# Altium PCB touch-tara-h-3 (final).PcbDoc (part 5 of 8)
Units mm, origin at the board's own origin, x right, y up, seen from the top; angles counter-clockwise.
Board outline 447.8 x 276.35 mm, 2 copper layers (Top Layer, Bottom Layer); 1040 components, 28 nets, 3254 pads, 0 vias.
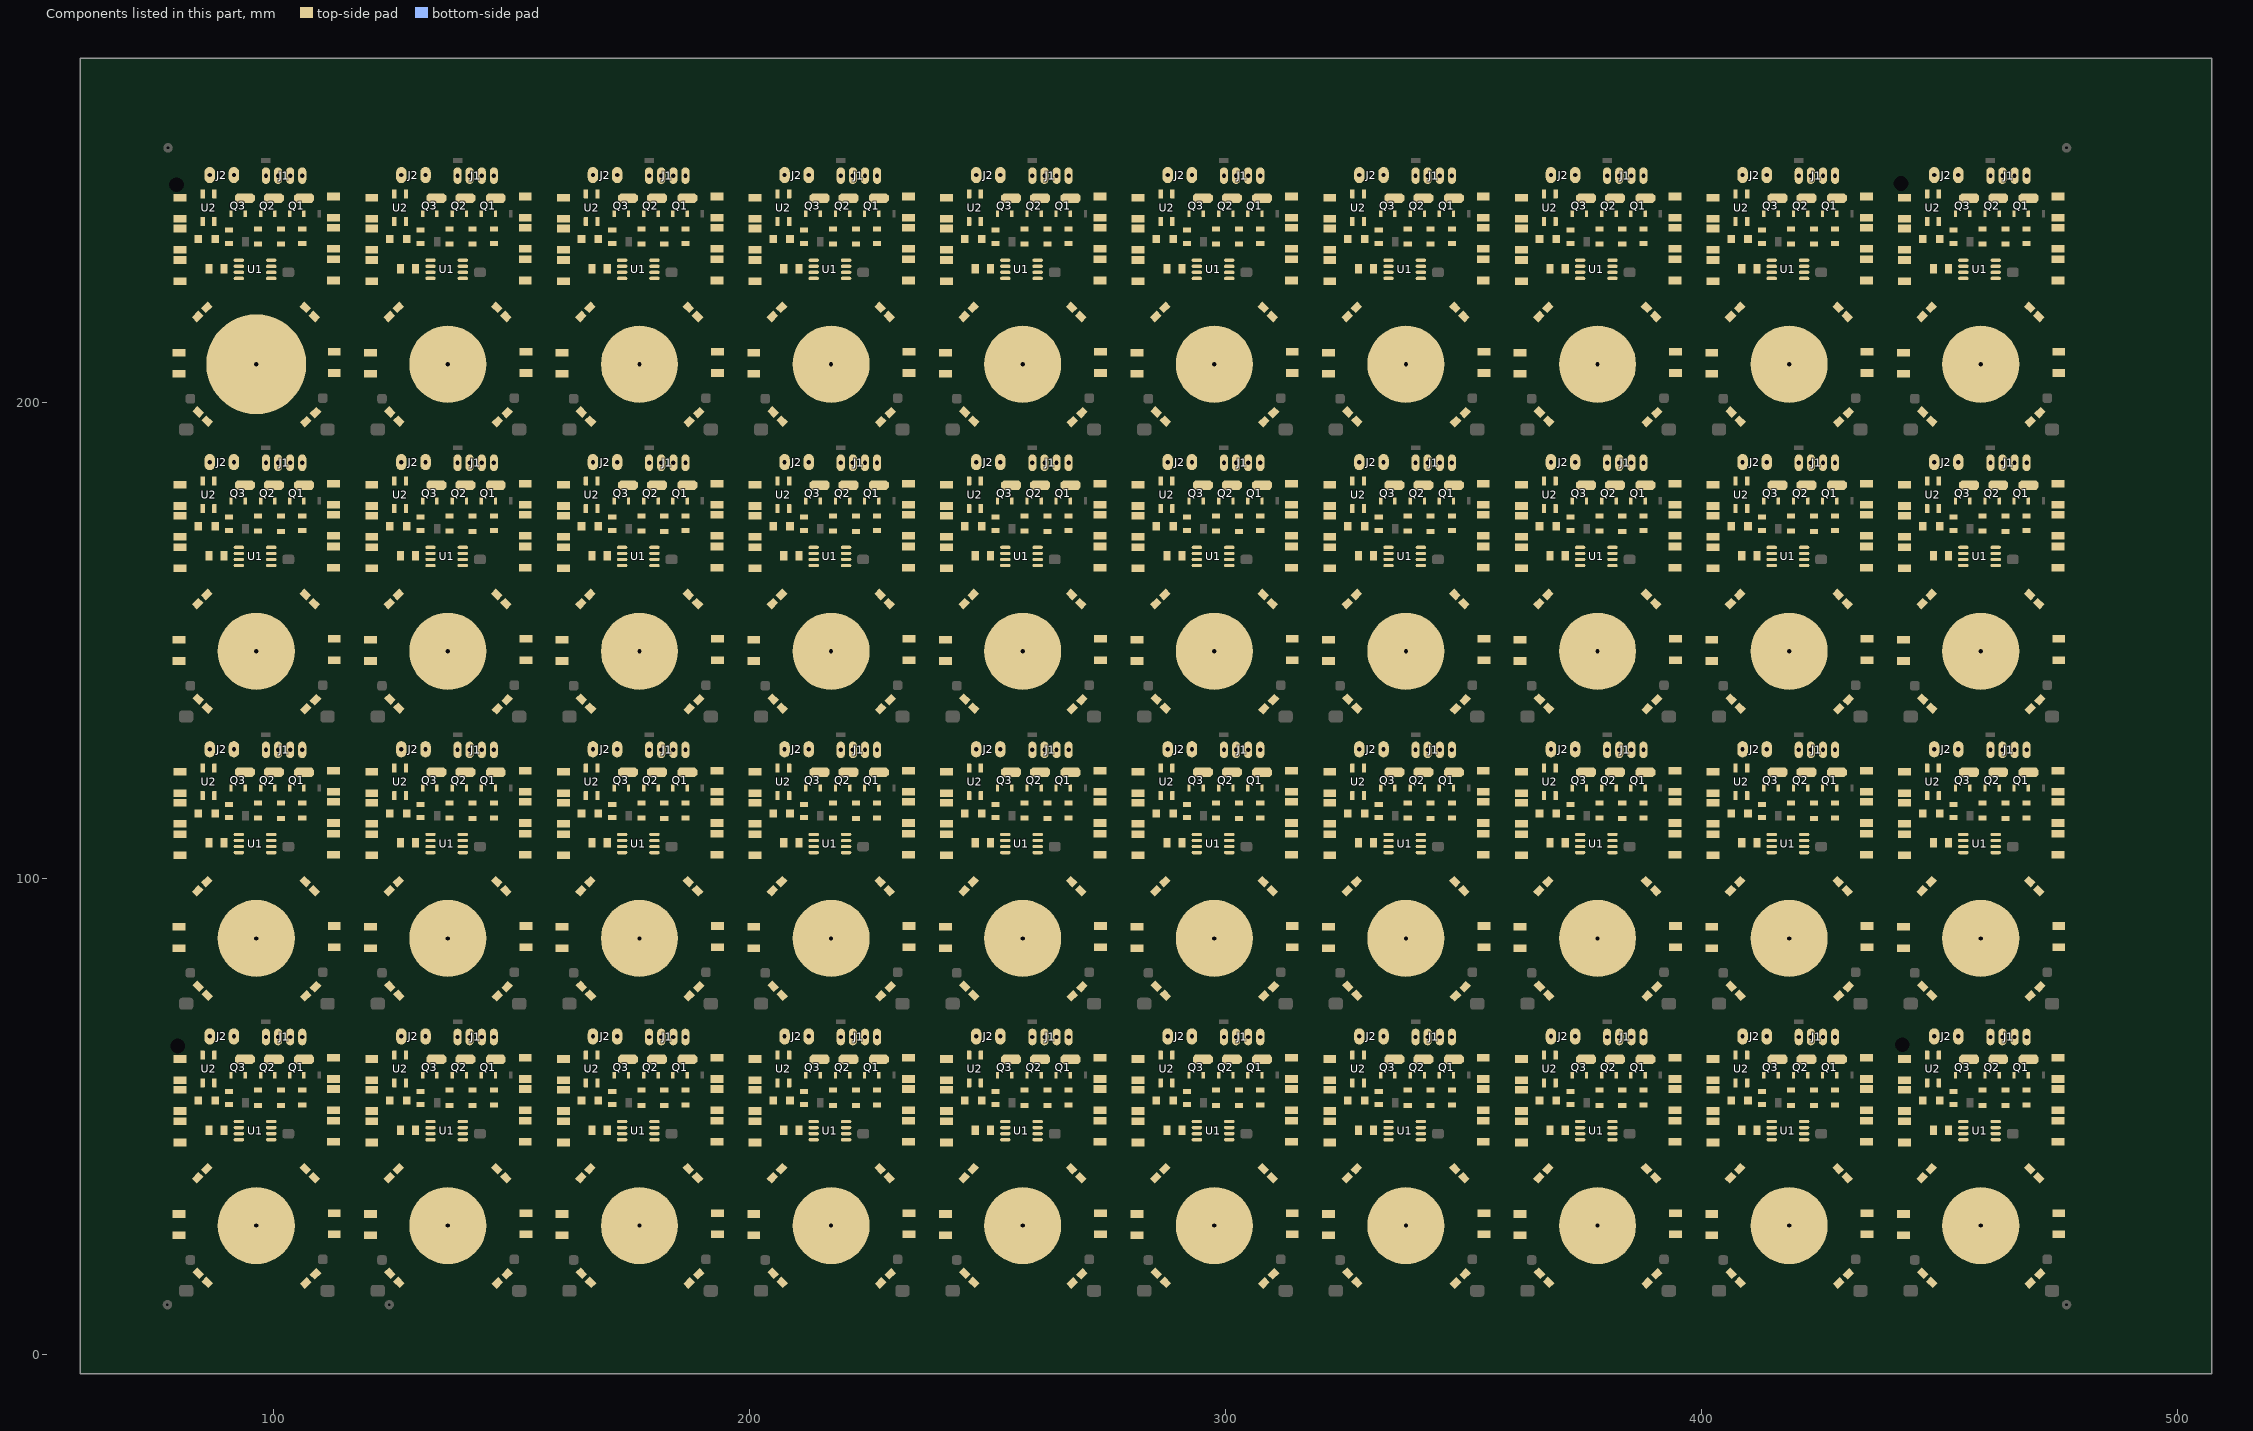
[diagram p5: the components of this part, seen from the top]

## Nets (pads, with @x,y where several pads share a name; then routed paths per layer and width w, separated by ;. In a path a pad name is that pad's centre, name@x,y a point inside that pad or via, vN(x,y) a via of type N, cw(c..) or ccw(c..) an arc to the next point about the centre after c; other vN are vias at no path point) (continued)
copper on no net: (continued)
  Top Layer w0.8: 80.137,85.344 80.391,85.09 80.391,77.685 80.86,77.216 83.225,77.216 83.529,77.52 84.024,77.52 84.201,77.343 ; 80.137,145.669 80.391,145.415 80.391,138.01 80.86,137.541 83.225,137.541 83.529,137.845 84.024,137.845 84.201,137.668 ; 80.137,205.994 80.391,205.74 80.391,198.335 80.86,197.866 83.225,197.866 83.529,198.17 84.024,198.17 84.201,197.993 ; 80.391,89.903 80.391,98.984 80.86,99.453 81.522,99.453 83.573,97.402 84.067,97.402 84.074,97.409 ; 80.391,150.228 80.391,159.309 80.86,159.778 81.522,159.778 83.573,157.727 84.067,157.727 84.074,157.734 ; 80.391,210.553 80.391,219.634 80.86,220.103 81.522,220.103 83.573,218.052 84.067,218.052 84.074,218.059 ; 80.796,105.132 80.796,104.981 81.341,104.436 81.492,104.436 86.049,99.879 86.049,99.384 85.979,99.314 ; 80.796,165.457 80.796,165.306 81.341,164.761 81.492,164.761 86.049,160.204 86.049,159.709 85.979,159.639 ; 80.796,225.782 80.796,225.631 81.341,225.086 81.492,225.086 86.049,220.529 86.049,220.034 85.979,219.964 ; 81.001,122.307 81.341,121.967 81.341,121.224 83.058,119.507 83.058,115.239 83.801,114.496 83.801,114.115 84.182,114.115 ; 81.001,182.632 81.341,182.292 81.341,181.549 83.058,179.832 83.058,175.564 83.801,174.821 83.801,174.44 84.182,174.44 ; 81.001,242.957 81.341,242.617 81.341,241.874 83.058,240.157 83.058,235.889 83.801,235.146 83.801,234.765 84.182,234.765 ; 84.201,113.665 84.201,113.615 84.601,113.215 84.671,113.215 85.725,112.161 85.725,108.602 86.085,108.242 86.085,108.042 86.525,107.602 86.725,107.602 86.725,106.823 88.519,105.029 91.758,105.029 92.039,105.31 ; 84.201,173.99 84.201,173.94 84.601,173.54 84.671,173.54 85.725,172.486 85.725,168.927 86.085,168.567 86.085,168.367 86.525,167.927 86.725,167.927 86.725,167.148 88.519,165.354 91.758,165.354 92.039,165.635 ; 84.201,234.315 84.201,234.265 84.601,233.865 84.671,233.865 85.725,232.811 85.725,229.252 86.085,228.892 86.085,228.692 86.525,228.252 86.725,228.252 86.725,227.473 88.519,225.679 91.758,225.679 92.039,225.96 ; 85.108,123.196 85.135,123.169 ; 85.108,183.521 85.135,183.494 ; 85.108,243.846 85.135,243.819 ; 85.135,117.369 85.135,119.97 83.185,121.92 83.185,124.714 82.042,125.857 82.042,130.087 82.511,130.556 98.425,130.556 106.807,130.556 109.283,128.079 ; 85.135,177.694 85.135,180.295 83.185,182.245 83.185,185.039 82.042,186.182 82.042,190.412 82.511,190.881 98.425,190.881 106.807,190.881 109.283,188.404 ; 85.135,238.019 85.135,240.62 83.185,242.57 83.185,245.364 82.042,246.507 82.042,250.737 82.511,251.206 98.425,251.206 106.807,251.206 109.283,248.73 ; 86.106,75.438 84.335,73.667 81.668,73.667 81.28,73.279 81.28,72.966 81.209,72.895 109.81,72.895 109.865,72.949 110.668,72.949 111.379,73.66 108.458,73.66 106.807,75.311 ; 86.106,135.763 84.335,133.992 81.668,133.992 81.28,133.604 81.28,133.291 81.209,133.22 109.81,133.22 109.865,133.274 110.668,133.274 111.379,133.985 108.458,133.985 106.807,135.636 ; 86.106,196.088 84.335,194.317 81.668,194.317 81.28,193.929 81.28,193.616 81.209,193.545 109.81,193.545 109.865,193.599 110.668,193.599 111.379,194.31 108.458,194.31 106.807,195.961 ; 86.614,126.148 86.614,127.127 ; 86.614,186.473 86.614,187.452 ; 86.614,246.798 86.614,247.777 ; 87.585,117.369 87.585,114.584 87.738,114.431 87.738,114.115 88.188,113.665 88.265,113.665 88.519,113.411 88.519,109.728 89.265,108.982 89.265,107.442 ; 87.585,177.694 87.585,174.909 87.738,174.756 87.738,174.44 88.188,173.99 88.265,173.99 88.519,173.736 88.519,170.053 89.265,169.307 89.265,167.767 ; 87.585,238.019 87.585,235.234 87.738,235.081 87.738,234.765 88.188,234.315 88.265,234.315 88.519,234.061 88.519,230.378 89.265,229.632 89.265,228.092 ; 87.64,123.169 87.64,123.724 ; 87.64,183.494 87.64,184.049 ; 87.64,243.819 87.64,244.374 ; 88.021,121.148 89.281,119.888 89.281,116.84 90.426,115.695 90.482,115.695 90.482,115.639 ; 88.021,181.473 89.281,180.213 89.281,177.165 90.426,176.02 90.482,176.02 90.482,175.964 ; 88.021,241.798 89.281,240.538 89.281,237.49 90.426,236.345 90.482,236.345 90.482,236.289 ; 90.932,112.776 90.918,112.762 90.918,111.52 92.247,110.191 92.247,109.32 ; 90.932,173.101 90.918,173.087 90.918,171.845 92.247,170.516 92.247,169.645 ; 90.932,233.426 90.918,233.412 90.918,232.17 92.247,230.841 92.247,229.97 ; 91.083,118.85 91.083,118.34 93.853,115.57 93.853,114.258 ; 91.083,179.175 91.083,178.665 93.853,175.895 93.853,174.583 ; 91.083,239.5 91.083,238.99 93.853,236.22 93.853,234.908 ; 91.254,126.052 91.254,127.449 91.454,127.649 ; 91.254,186.377 91.254,187.774 91.454,187.974 ; 91.254,246.702 91.254,248.099 91.454,248.299 ; 94.083,118.977 94.083,118.515 96.324,116.274 96.324,115.949 96.449,115.824 96.774,115.824 ; 94.083,179.302 94.083,178.84 96.324,176.599 96.324,176.274 96.449,176.149 96.774,176.149 ; 94.083,239.627 94.083,239.165 96.324,236.924 96.324,236.599 96.449,236.474 96.774,236.474 ; 94.234,113.157 94.207,113.2 93.853,113.757 93.853,114.258 ; 94.234,173.482 94.207,173.525 93.853,174.082 93.853,174.583 ; 94.234,233.807 94.207,233.85 93.853,234.407 93.853,234.908 ; 95.377,103.505 95.377,105.881 ; 95.377,163.83 95.377,166.206 ; 95.377,224.155 95.377,226.531 ; 96.647,88.392 96.647,100.711 99.203,103.267 99.203,105.31 ; 96.647,148.717 96.647,161.036 99.203,163.592 99.203,165.635 ; 96.647,209.042 96.647,221.361 99.203,223.917 99.203,225.96 ; 97.306,118.977 97.306,118.19 99.187,116.309 99.187,114.258 ; 97.306,179.302 97.306,178.515 99.187,176.634 99.187,174.583 ; 97.306,239.627 97.306,238.84 99.187,236.959 99.187,234.908 ; 97.409,107.95 97.028,108.331 97.028,109.728 98.171,110.871 100.877,110.871 101.346,111.34 101.346,112.606 ; 97.409,168.275 97.028,168.656 97.028,170.053 98.171,171.196 100.877,171.196 101.346,171.665 101.346,172.931 ; 97.409,228.6 97.028,228.981 97.028,230.378 98.171,231.521 100.877,231.521 101.346,231.99 101.346,233.256 ; 100.306,118.977 100.306,118.007 101.15,117.163 101.15,115.949 101.275,115.824 101.6,115.824 ; 100.306,179.302 100.306,178.332 101.15,177.488 101.15,176.274 101.275,176.149 101.6,176.149 ; 100.306,239.627 100.306,238.657 101.15,237.813 101.15,236.599 101.275,236.474 101.6,236.474 ; 100.391,109.281 104.328,109.281 105.918,110.871 105.918,112.733 ; 100.391,169.606 104.328,169.606 105.918,171.196 105.918,173.058 ; 100.391,229.931 104.328,229.931 105.918,231.521 105.918,233.383 ; 103.402,119.104 103.402,117.959 103.886,117.475 103.886,114.258 ; 103.402,179.429 103.402,178.284 103.886,177.8 103.886,174.583 ; 103.402,239.754 103.402,238.609 103.886,238.125 103.886,234.908 ; 106.045,115.824 106.301,115.824 106.426,115.949 106.426,118.761 ; 106.045,176.149 106.301,176.149 106.426,176.274 106.426,179.086 ; 106.045,236.474 106.301,236.474 106.426,236.599 106.426,239.411 ; 106.68,99.314 106.673,99.321 106.673,99.815 111.421,104.563 112.249,104.563 112.649,104.963 ; 106.68,159.639 106.673,159.646 106.673,160.14 111.421,164.888 112.249,164.888 112.649,165.288 ; 106.68,219.964 106.673,219.971 106.673,220.465 111.421,225.213 112.249,225.213 112.649,225.613 ; 108.585,97.409 111.518,100.342 112.18,100.342 112.649,99.873 112.649,89.855 ; 108.585,157.734 111.518,160.667 112.18,160.667 112.649,160.198 112.649,150.18 ; 108.585,218.059 111.518,220.992 112.18,220.992 112.649,220.523 112.649,210.505 ; 108.839,77.216 108.927,77.304 109.422,77.304 110.145,76.581 112.307,76.581 112.776,77.05 112.776,85.278 ; 108.839,137.541 108.927,137.629 109.422,137.629 110.145,136.906 112.307,136.906 112.776,137.375 112.776,145.603 ; 108.839,197.866 108.927,197.954 109.422,197.954 110.145,197.231 112.307,197.231 112.776,197.7 112.776,205.928 ; 109.601,118.489 109.601,114.727 109.132,114.258 103.886,114.258 ; 109.601,178.814 109.601,175.052 109.132,174.583 103.886,174.583 ; 109.601,239.139 109.601,235.377 109.132,234.908 103.886,234.908 ; 112.776,89.855 112.903,89.728 ; 112.776,150.18 112.903,150.053 ; 112.776,210.505 112.903,210.378 ; 120.396,25.019 120.65,24.765 120.65,17.36 121.119,16.891 123.484,16.891 123.788,17.195 124.283,17.195 124.46,17.018 ; 120.396,85.344 120.65,85.09 120.65,77.685 121.119,77.216 123.484,77.216 123.788,77.52 124.283,77.52 124.46,77.343 ; 120.396,145.669 120.65,145.415 120.65,138.01 121.119,137.541 123.484,137.541 123.788,137.845 124.283,137.845 124.46,137.668 ; 120.396,205.994 120.65,205.74 120.65,198.335 121.119,197.866 123.484,197.866 123.788,198.17 124.283,198.17 124.46,197.993 ; 120.65,29.578 120.65,38.659 121.119,39.128 121.781,39.128 123.832,37.077 124.326,37.077 124.333,37.084 ; 120.65,89.903 120.65,98.984 121.119,99.453 121.781,99.453 123.832,97.402 124.326,97.402 124.333,97.409 ; 120.65,150.228 120.65,159.309 121.119,159.778 121.781,159.778 123.832,157.727 124.326,157.727 124.333,157.734 ; 120.65,210.553 120.65,219.634 121.119,220.103 121.781,220.103 123.832,218.052 124.326,218.052 124.333,218.059 ; 121.055,44.807 121.055,44.656 121.6,44.111 121.751,44.111 126.308,39.554 126.308,39.059 126.238,38.989 ; 121.055,105.132 121.055,104.981 121.6,104.436 121.751,104.436 126.308,99.879 126.308,99.384 126.238,99.314 ; 121.055,165.457 121.055,165.306 121.6,164.761 121.751,164.761 126.308,160.204 126.308,159.709 126.238,159.639 ; 121.055,225.782 121.055,225.631 121.6,225.086 121.751,225.086 126.308,220.529 126.308,220.034 126.238,219.964 ; 121.26,61.982 121.6,61.642 121.6,60.899 123.317,59.182 123.317,54.914 124.06,54.171 124.06,53.79 124.441,53.79 ; 121.26,122.307 121.6,121.967 121.6,121.224 123.317,119.507 123.317,115.239 124.06,114.496 124.06,114.115 124.441,114.115 ; 121.26,182.632 121.6,182.292 121.6,181.549 123.317,179.832 123.317,175.564 124.06,174.821 124.06,174.44 124.441,174.44 ; 121.26,242.957 121.6,242.617 121.6,241.874 123.317,240.157 123.317,235.889 124.06,235.146 124.06,234.765 124.441,234.765 ; 124.46,53.34 124.46,53.29 124.86,52.89 124.93,52.89 125.984,51.836 125.984,48.277 126.344,47.917 126.344,47.717 126.784,47.277 126.984,47.277 126.984,46.498 128.778,44.704 132.017,44.704 132.298,44.985 ; 124.46,113.665 124.46,113.615 124.86,113.215 124.93,113.215 125.984,112.161 125.984,108.602 126.344,108.242 126.344,108.042 126.784,107.602 126.984,107.602 126.984,106.823 128.778,105.029 132.017,105.029 132.298,105.31 ; 124.46,173.99 124.46,173.94 124.86,173.54 124.93,173.54 125.984,172.486 125.984,168.927 126.344,168.567 126.344,168.367 126.784,167.927 126.984,167.927 126.984,167.148 128.778,165.354 132.017,165.354 132.298,165.635 ; 124.46,234.315 124.46,234.265 124.86,233.865 124.93,233.865 125.984,232.811 125.984,229.252 126.344,228.892 126.344,228.692 126.784,228.252 126.984,228.252 126.984,227.473 128.778,225.679 132.017,225.679 132.298,225.96 ; 125.367,62.871 125.394,62.844 ; 125.367,123.196 125.394,123.169 ; 125.367,183.521 125.394,183.494 ; 125.367,243.846 125.394,243.819 ; 125.394,57.044 125.394,59.645 123.444,61.595 123.444,64.389 122.301,65.532 122.301,69.762 122.77,70.231 138.684,70.231 147.066,70.231 149.542,67.754 ; 125.394,117.369 125.394,119.97 123.444,121.92 123.444,124.714 122.301,125.857 122.301,130.087 122.77,130.556 138.684,130.556 147.066,130.556 149.542,128.079 ; 125.394,177.694 125.394,180.295 123.444,182.245 123.444,185.039 122.301,186.182 122.301,190.412 122.77,190.881 138.684,190.881 147.066,190.881 149.542,188.404 ; 125.394,238.019 125.394,240.62 123.444,242.57 123.444,245.364 122.301,246.507 122.301,250.737 122.77,251.206 138.684,251.206 147.066,251.206 149.542,248.73 ; 126.365,15.113 124.594,13.342 121.927,13.342 121.539,12.954 121.539,12.641 121.468,12.57 150.069,12.57 150.124,12.624 150.927,12.624 151.638,13.335 148.717,13.335 147.066,14.986 ; 126.365,75.438 124.594,73.667 121.927,73.667 121.539,73.279 121.539,72.966 121.468,72.895 150.069,72.895 150.124,72.949 150.927,72.949 151.638,73.66 148.717,73.66 147.066,75.311 ; 126.365,135.763 124.594,133.992 121.927,133.992 121.539,133.604 121.539,133.291 121.468,133.22 150.069,133.22 150.124,133.274 150.927,133.274 151.638,133.985 148.717,133.985 147.066,135.636 ; 126.365,196.088 124.594,194.317 121.927,194.317 121.539,193.929 121.539,193.616 121.468,193.545 150.069,193.545 150.124,193.599 150.927,193.599 151.638,194.31 148.717,194.31 147.066,195.961 ; 126.873,65.823 126.873,66.802 ; 126.873,126.148 126.873,127.127 ; 126.873,186.473 126.873,187.452 ; 126.873,246.798 126.873,247.777 ; 127.844,57.044 127.844,54.259 127.997,54.106 127.997,53.79 128.447,53.34 128.524,53.34 128.778,53.086 128.778,49.403 129.524,48.657 129.524,47.117 ; 127.844,117.369 127.844,114.584 127.997,114.431 127.997,114.115 128.447,113.665 128.524,113.665 128.778,113.411 128.778,109.728 129.524,108.982 129.524,107.442 ; 127.844,177.694 127.844,174.909 127.997,174.756 127.997,174.44 128.447,173.99 128.524,173.99 128.778,173.736 128.778,170.053 129.524,169.307 129.524,167.767 ; 127.844,238.019 127.844,235.234 127.997,235.081 127.997,234.765 128.447,234.315 128.524,234.315 128.778,234.061 128.778,230.378 129.524,229.632 129.524,228.092 ; 127.899,62.844 127.899,63.399 ; 127.899,123.169 127.899,123.724 ; 127.899,183.494 127.899,184.049 ; 127.899,243.819 127.899,244.374 ; 128.28,60.823 129.54,59.563 129.54,56.515 130.685,55.37 130.741,55.37 130.741,55.314 ; 128.28,121.148 129.54,119.888 129.54,116.84 130.685,115.695 130.741,115.695 130.741,115.639 ; 128.28,181.473 129.54,180.213 129.54,177.165 130.685,176.02 130.741,176.02 130.741,175.964 ; 128.28,241.798 129.54,240.538 129.54,237.49 130.685,236.345 130.741,236.345 130.741,236.289 ; 131.191,52.451 131.177,52.437 131.177,51.195 132.506,49.866 132.506,48.995 ; 131.191,112.776 131.177,112.762 131.177,111.52 132.506,110.191 132.506,109.32 ; 131.191,173.101 131.177,173.087 131.177,171.845 132.506,170.516 132.506,169.645 ; 131.191,233.426 131.177,233.412 131.177,232.17 132.506,230.841 132.506,229.97 ; 131.342,58.525 131.342,58.015 134.112,55.245 134.112,53.933 ; 131.342,118.85 131.342,118.34 134.112,115.57 134.112,114.258 ; 131.342,179.175 131.342,178.665 134.112,175.895 134.112,174.583 ; 131.342,239.5 131.342,238.99 134.112,236.22 134.112,234.908 ; 131.513,65.727 131.513,67.124 131.713,67.324 ; 131.513,126.052 131.513,127.449 131.713,127.649 ; 131.513,186.377 131.513,187.774 131.713,187.974 ; 131.513,246.702 131.513,248.099 131.713,248.299 ; 134.342,58.652 134.342,58.19 136.583,55.949 136.583,55.624 136.708,55.499 137.033,55.499 ; 134.342,118.977 134.342,118.515 136.583,116.274 136.583,115.949 136.708,115.824 137.033,115.824 ; 134.342,179.302 134.342,178.84 136.583,176.599 136.583,176.274 136.708,176.149 137.033,176.149 ; 134.342,239.627 134.342,239.165 136.583,236.924 136.583,236.599 136.708,236.474 137.033,236.474 ; 134.493,52.832 134.466,52.875 134.112,53.432 134.112,53.933 ; 134.493,113.157 134.466,113.2 134.112,113.757 134.112,114.258 ; 134.493,173.482 134.466,173.525 134.112,174.082 134.112,174.583 ; 134.493,233.807 134.466,233.85 134.112,234.407 134.112,234.908 ; 135.636,43.18 135.636,45.556 ; 135.636,103.505 135.636,105.881 ; 135.636,163.83 135.636,166.206 ; 135.636,224.155 135.636,226.531 ; 136.906,28.067 136.906,40.386 139.462,42.942 139.462,44.985 ; 136.906,88.392 136.906,100.711 139.462,103.267 139.462,105.31 ; 136.906,148.717 136.906,161.036 139.462,163.592 139.462,165.635 ; 136.906,209.042 136.906,221.361 139.462,223.917 139.462,225.96 ; 137.565,58.652 137.565,57.865 139.446,55.984 139.446,53.933 ; 137.565,118.977 137.565,118.19 139.446,116.309 139.446,114.258 ; 137.565,179.302 137.565,178.515 139.446,176.634 139.446,174.583 ; 137.565,239.627 137.565,238.84 139.446,236.959 139.446,234.908 ; 137.668,47.625 137.287,48.006 137.287,49.403 138.43,50.546 141.136,50.546 141.605,51.015 141.605,52.281 ; 137.668,107.95 137.287,108.331 137.287,109.728 138.43,110.871 141.136,110.871 141.605,111.34 141.605,112.606 ; 137.668,168.275 137.287,168.656 137.287,170.053 138.43,171.196 141.136,171.196 141.605,171.665 141.605,172.931 ; 137.668,228.6 137.287,228.981 137.287,230.378 138.43,231.521 141.136,231.521 141.605,231.99 141.605,233.256 ; 140.565,58.652 140.565,57.682 141.409,56.838 141.409,55.624 141.534,55.499 141.859,55.499 ; 140.565,118.977 140.565,118.007 141.409,117.163 141.409,115.949 141.534,115.824 141.859,115.824 ; 140.565,179.302 140.565,178.332 141.409,177.488 141.409,176.274 141.534,176.149 141.859,176.149 ; 140.565,239.627 140.565,238.657 141.409,237.813 141.409,236.599 141.534,236.474 141.859,236.474 ; 140.65,48.956 144.587,48.956 146.177,50.546 146.177,52.408 ; 140.65,109.281 144.587,109.281 146.177,110.871 146.177,112.733 ; 140.65,169.606 144.587,169.606 146.177,171.196 146.177,173.058 ; 140.65,229.931 144.587,229.931 146.177,231.521 146.177,233.383 ; 143.661,58.779 143.661,57.634 144.145,57.15 144.145,53.933 ; 143.661,119.104 143.661,117.959 144.145,117.475 144.145,114.258 ; 143.661,179.429 143.661,178.284 144.145,177.8 144.145,174.583 ; 143.661,239.754 143.661,238.609 144.145,238.125 144.145,234.908 ; 146.304,55.499 146.56,55.499 146.685,55.624 146.685,58.436 ; 146.304,115.824 146.56,115.824 146.685,115.949 146.685,118.761 ; 146.304,176.149 146.56,176.149 146.685,176.274 146.685,179.086 ; 146.304,236.474 146.56,236.474 146.685,236.599 146.685,239.411 ; 146.939,38.989 146.932,38.996 146.932,39.49 151.68,44.238 152.508,44.238 152.908,44.638 ; 146.939,99.314 146.932,99.321 146.932,99.815 151.68,104.563 152.508,104.563 152.908,104.963 ; 146.939,159.639 146.932,159.646 146.932,160.14 151.68,164.888 152.508,164.888 152.908,165.288 ; 146.939,219.964 146.932,219.971 146.932,220.465 151.68,225.213 152.508,225.213 152.908,225.613 ; 148.844,37.084 151.777,40.017 152.439,40.017 152.908,39.548 152.908,29.53 ; 148.844,97.409 151.777,100.342 152.439,100.342 152.908,99.873 152.908,89.855 ; 148.844,157.734 151.777,160.667 152.439,160.667 152.908,160.198 152.908,150.18 ; 148.844,218.059 151.777,220.992 152.439,220.992 152.908,220.523 152.908,210.505 ; 149.098,16.891 149.186,16.979 149.681,16.979 150.404,16.256 152.566,16.256 153.035,16.725 153.035,24.953 ; 149.098,77.216 149.186,77.304 149.681,77.304 150.404,76.581 152.566,76.581 153.035,77.05 153.035,85.278 ; 149.098,137.541 149.186,137.629 149.681,137.629 150.404,136.906 152.566,136.906 153.035,137.375 153.035,145.603 ; 149.098,197.866 149.186,197.954 149.681,197.954 150.404,197.231 152.566,197.231 153.035,197.7 153.035,205.928 ; 149.86,58.164 149.86,54.402 149.391,53.933 144.145,53.933 ; 149.86,118.489 149.86,114.727 149.391,114.258 144.145,114.258 ; 149.86,178.814 149.86,175.052 149.391,174.583 144.145,174.583 ; 149.86,239.139 149.86,235.377 149.391,234.908 144.145,234.908 ; 153.035,29.53 153.162,29.403 ; 153.035,89.855 153.162,89.728 ; 153.035,150.18 153.162,150.053 ; 153.035,210.505 153.162,210.378 ; 160.655,25.019 160.909,24.765 160.909,17.36 161.378,16.891 163.743,16.891 164.047,17.195 164.542,17.195 164.719,17.018 ; 160.655,85.344 160.909,85.09 160.909,77.685 161.378,77.216 163.743,77.216 164.047,77.52 164.542,77.52 164.719,77.343 ; 160.655,145.669 160.909,145.415 160.909,138.01 161.378,137.541 163.743,137.541 164.047,137.845 164.542,137.845 164.719,137.668 ; 160.655,205.994 160.909,205.74 160.909,198.335 161.378,197.866 163.743,197.866 164.047,198.17 164.542,198.17 164.719,197.993 ; 160.909,29.578 160.909,38.659 161.378,39.128 162.04,39.128 164.091,37.077 164.585,37.077 164.592,37.084 ; 160.909,89.903 160.909,98.984 161.378,99.453 162.04,99.453 164.091,97.402 164.585,97.402 164.592,97.409 ; 160.909,150.228 160.909,159.309 161.378,159.778 162.04,159.778 164.091,157.727 164.585,157.727 164.592,157.734 ; 160.909,210.553 160.909,219.634 161.378,220.103 162.04,220.103 164.091,218.052 164.585,218.052 164.592,218.059 ; 161.314,44.807 161.314,44.656 161.859,44.111 162.01,44.111 166.567,39.554 166.567,39.059 166.497,38.989 ; 161.314,105.132 161.314,104.981 161.859,104.436 162.01,104.436 166.567,99.879 166.567,99.384 166.497,99.314 ; 161.314,165.457 161.314,165.306 161.859,164.761 162.01,164.761 166.567,160.204 166.567,159.709 166.497,159.639 ; 161.314,225.782 161.314,225.631 161.859,225.086 162.01,225.086 166.567,220.529 166.567,220.034 166.497,219.964 ; 161.519,61.982 161.859,61.642 161.859,60.899 163.576,59.182 163.576,54.914 164.319,54.171 164.319,53.79 164.7,53.79 ; 161.519,122.307 161.859,121.967 161.859,121.224 163.576,119.507 163.576,115.239 164.319,114.496 164.319,114.115 164.7,114.115 ; 161.519,182.632 161.859,182.292 161.859,181.549 163.576,179.832 163.576,175.564 164.319,174.821 164.319,174.44 164.7,174.44 ; 161.519,242.957 161.859,242.617 161.859,241.874 163.576,240.157 163.576,235.889 164.319,235.146 164.319,234.765 164.7,234.765 ; 164.719,53.34 164.719,53.29 165.119,52.89 165.189,52.89 166.243,51.836 166.243,48.277 166.603,47.917 166.603,47.717 167.043,47.277 167.243,47.277 167.243,46.498 169.037,44.704 172.276,44.704 172.557,44.985 ; 164.719,113.665 164.719,113.615 165.119,113.215 165.189,113.215 166.243,112.161 166.243,108.602 166.603,108.242 166.603,108.042 167.043,107.602 167.243,107.602 167.243,106.823 169.037,105.029 172.276,105.029 172.557,105.31 ; 164.719,173.99 164.719,173.94 165.119,173.54 165.189,173.54 166.243,172.486 166.243,168.927 166.603,168.567 166.603,168.367 167.043,167.927 167.243,167.927 167.243,167.148 169.037,165.354 172.276,165.354 172.557,165.635 ; 164.719,234.315 164.719,234.265 165.119,233.865 165.189,233.865 166.243,232.811 166.243,229.252 166.603,228.892 166.603,228.692 167.043,228.252 167.243,228.252 167.243,227.473 169.037,225.679 172.276,225.679 172.557,225.96 ; 165.626,62.871 165.653,62.844 ; 165.626,123.196 165.653,123.169 ; 165.626,183.521 165.653,183.494 ; 165.626,243.846 165.653,243.819 ; 165.653,57.044 165.653,59.645 163.703,61.595 163.703,64.389 162.56,65.532 162.56,69.762 163.029,70.231 178.943,70.231 187.325,70.231 189.802,67.754 ; 165.653,117.369 165.653,119.97 163.703,121.92 163.703,124.714 162.56,125.857 162.56,130.087 163.029,130.556 178.943,130.556 187.325,130.556 189.802,128.079 ; 165.653,177.694 165.653,180.295 163.703,182.245 163.703,185.039 162.56,186.182 162.56,190.412 163.029,190.881 178.943,190.881 187.325,190.881 189.802,188.404 ; 165.653,238.019 165.653,240.62 163.703,242.57 163.703,245.364 162.56,246.507 162.56,250.737 163.029,251.206 178.943,251.206 187.325,251.206 189.802,248.73 ; 166.624,15.113 164.853,13.342 162.186,13.342 161.798,12.954 161.798,12.641 161.727,12.57 190.328,12.57 190.383,12.624 191.186,12.624 191.897,13.335 188.976,13.335 187.325,14.986 ; 166.624,75.438 164.853,73.667 162.186,73.667 161.798,73.279 161.798,72.966 161.727,72.895 190.328,72.895 190.383,72.949 191.186,72.949 191.897,73.66 188.976,73.66 187.325,75.311 ; 166.624,135.763 164.853,133.992 162.186,133.992 161.798,133.604 161.798,133.291 161.727,133.22 190.328,133.22 190.383,133.274 191.186,133.274 191.897,133.985 188.976,133.985 187.325,135.636 ; 166.624,196.088 164.853,194.317 162.186,194.317 161.798,193.929 161.798,193.616 161.727,193.545 190.328,193.545 190.383,193.599 191.186,193.599 191.897,194.31 188.976,194.31 187.325,195.961 ; 167.132,65.823 167.132,66.802 ; 167.132,126.148 167.132,127.127 ; 167.132,186.473 167.132,187.452 ; 167.132,246.798 167.132,247.777 ; 168.103,57.044 168.103,54.259 168.256,54.106 168.256,53.79 168.706,53.34 168.783,53.34 169.037,53.086 169.037,49.403 169.783,48.657 169.783,47.117 ; 168.103,117.369 168.103,114.584 168.256,114.431 168.256,114.115 168.706,113.665 168.783,113.665 169.037,113.411 169.037,109.728 169.783,108.982 169.783,107.442 ; 168.103,177.694 168.103,174.909 168.256,174.756 168.256,174.44 168.706,173.99 168.783,173.99 169.037,173.736 169.037,170.053 169.783,169.307 169.783,167.767 ; 168.103,238.019 168.103,235.234 168.256,235.081 168.256,234.765 168.706,234.315 168.783,234.315 169.037,234.061 169.037,230.378 169.783,229.632 169.783,228.092 ; 168.158,62.844 168.158,63.399 ; 168.158,123.169 168.158,123.724 ; 168.158,183.494 168.158,184.049 ; 168.158,243.819 168.158,244.374 ; 168.539,60.823 169.799,59.563 169.799,56.515 170.944,55.37 171,55.37 171,55.314 ; 168.539,121.148 169.799,119.888 169.799,116.84 170.944,115.695 171,115.695 171,115.639 ; 168.539,181.473 169.799,180.213 169.799,177.165 170.944,176.02 171,176.02 171,175.964 ; 168.539,241.798 169.799,240.538 169.799,237.49 170.944,236.345 171,236.345 171,236.289 ; 171.45,52.451 171.436,52.437 171.436,51.195 172.765,49.866 172.765,48.995 ; 171.45,112.776 171.436,112.762 171.436,111.52 172.765,110.191 172.765,109.32 ; 171.45,173.101 171.436,173.087 171.436,171.845 172.765,170.516 172.765,169.645 ; 171.45,233.426 171.436,233.412 171.436,232.17 172.765,230.841 172.765,229.97 ; 171.601,58.525 171.601,58.015 174.371,55.245 174.371,53.933 ; 171.601,118.85 171.601,118.34 174.371,115.57 174.371,114.258 ; 171.601,179.175 171.601,178.665 174.371,175.895 174.371,174.583 ; 171.601,239.5 171.601,238.99 174.371,236.22 174.371,234.908 ; 171.772,65.727 171.772,67.124 171.972,67.324 ; 171.772,126.052 171.772,127.449 171.972,127.649 ; 171.772,186.377 171.772,187.774 171.972,187.974 ; 171.772,246.702 171.772,248.099 171.972,248.299 ; 174.601,58.652 174.601,58.19 176.842,55.949 176.842,55.624 176.967,55.499 177.292,55.499 ; 174.601,118.977 174.601,118.515 176.842,116.274 176.842,115.949 176.967,115.824 177.292,115.824 ; 174.601,179.302 174.601,178.84 176.842,176.599 176.842,176.274 176.967,176.149 177.292,176.149 ; 174.601,239.627 174.601,239.165 176.842,236.924 176.842,236.599 176.967,236.474 177.292,236.474 ; 174.752,52.832 174.725,52.875 174.371,53.432 174.371,53.933 ; 174.752,113.157 174.725,113.2 174.371,113.757 174.371,114.258 ; 174.752,173.482 174.725,173.525 174.371,174.082 174.371,174.583 ; 174.752,233.807 174.725,233.85 174.371,234.407 174.371,234.908 ; 175.895,43.18 175.895,45.556 ; 175.895,103.505 175.895,105.881 ; 175.895,163.83 175.895,166.206 ; 175.895,224.155 175.895,226.531 ; 177.165,28.067 177.165,40.386 179.721,42.942 179.721,44.985 ; 177.165,88.392 177.165,100.711 179.721,103.267 179.721,105.31 ; 177.165,148.717 177.165,161.036 179.721,163.592 179.721,165.635 ; 177.165,209.042 177.165,221.361 179.721,223.917 179.721,225.96 ; 177.824,58.652 177.824,57.865 179.705,55.984 179.705,53.933 ; 177.824,118.977 177.824,118.19 179.705,116.309 179.705,114.258 ; 177.824,179.302 177.824,178.515 179.705,176.634 179.705,174.583 ; 177.824,239.627 177.824,238.84 179.705,236.959 179.705,234.908 ; 177.927,47.625 177.546,48.006 177.546,49.403 178.689,50.546 181.395,50.546 181.864,51.015 181.864,52.281 ; 177.927,107.95 177.546,108.331 177.546,109.728 178.689,110.871 181.395,110.871 181.864,111.34 181.864,112.606 ; 177.927,168.275 177.546,168.656 177.546,170.053 178.689,171.196 181.395,171.196 181.864,171.665 181.864,172.931 ; 177.927,228.6 177.546,228.981 177.546,230.378 178.689,231.521 181.395,231.521 181.864,231.99 181.864,233.256 ; 180.824,58.652 180.824,57.682 181.668,56.838 181.668,55.624 181.793,55.499 182.118,55.499 ; 180.824,118.977 180.824,118.007 181.668,117.163 181.668,115.949 181.793,115.824 182.118,115.824 ; 180.824,179.302 180.824,178.332 181.668,177.488 181.668,176.274 181.793,176.149 182.118,176.149 ; 180.824,239.627 180.824,238.657 181.668,237.813 181.668,236.599 181.793,236.474 182.118,236.474 ; 180.909,48.956 184.846,48.956 186.436,50.546 186.436,52.408 ; 180.909,109.281 184.846,109.281 186.436,110.871 186.436,112.733 ; 180.909,169.606 184.846,169.606 186.436,171.196 186.436,173.058 ; 180.909,229.931 184.846,229.931 186.436,231.521 186.436,233.383 ; 183.92,58.779 183.92,57.634 184.404,57.15 184.404,53.933 ; 183.92,119.104 183.92,117.959 184.404,117.475 184.404,114.258 ; 183.92,179.429 183.92,178.284 184.404,177.8 184.404,174.583 ; 183.92,239.754 183.92,238.609 184.404,238.125 184.404,234.908 ; 186.563,55.499 186.819,55.499 186.944,55.624 186.944,58.436 ; 186.563,115.824 186.819,115.824 186.944,115.949 186.944,118.761 ; 186.563,176.149 186.819,176.149 186.944,176.274 186.944,179.086 ; 186.563,236.474 186.819,236.474 186.944,236.599 186.944,239.411 ; 187.198,38.989 187.191,38.996 187.191,39.49 191.939,44.238 192.767,44.238 193.167,44.638 ; 187.198,99.314 187.191,99.321 187.191,99.815 191.939,104.563 192.767,104.563 193.167,104.963 ; 187.198,159.639 187.191,159.646 187.191,160.14 191.939,164.888 192.767,164.888 193.167,165.288 ; 187.198,219.964 187.191,219.971 187.191,220.465 191.939,225.213 192.767,225.213 193.167,225.613 ; 189.103,37.084 192.036,40.017 192.698,40.017 193.167,39.548 193.167,29.53 ; 189.103,97.409 192.036,100.342 192.698,100.342 193.167,99.873 193.167,89.855 ; 189.103,157.734 192.036,160.667 192.698,160.667 193.167,160.198 193.167,150.18 ; 189.103,218.059 192.036,220.992 192.698,220.992 193.167,220.523 193.167,210.505 ; 189.357,16.891 189.445,16.979 189.94,16.979 190.663,16.256 192.825,16.256 193.294,16.725 193.294,24.953 ; 189.357,77.216 189.445,77.304 189.94,77.304 190.663,76.581 192.825,76.581 193.294,77.05 193.294,85.278 ; 189.357,137.541 189.445,137.629 189.94,137.629 190.663,136.906 192.825,136.906 193.294,137.375 193.294,145.603 ; 189.357,197.866 189.445,197.954 189.94,197.954 190.663,197.231 192.825,197.231 193.294,197.7 193.294,205.928 ; 190.119,58.164 190.119,54.402 189.65,53.933 184.404,53.933 ; 190.119,118.489 190.119,114.727 189.65,114.258 184.404,114.258 ; 190.119,178.814 190.119,175.052 189.65,174.583 184.404,174.583 ; 190.119,239.139 190.119,235.377 189.65,234.908 184.404,234.908 ; 193.294,29.53 193.421,29.403 ; 193.294,89.855 193.421,89.728 ; 193.294,150.18 193.421,150.053 ; 193.294,210.505 193.421,210.378 ; 200.914,25.019 201.168,24.765 201.168,17.36 201.637,16.891 204.002,16.891 204.306,17.195 204.801,17.195 204.978,17.018 ; 200.914,85.344 201.168,85.09 201.168,77.685 201.637,77.216 204.002,77.216 204.306,77.52 204.801,77.52 204.978,77.343 ; 200.914,145.669 201.168,145.415 201.168,138.01 201.637,137.541 204.002,137.541 204.306,137.845 204.801,137.845 204.978,137.668 ; 200.914,205.994 201.168,205.74 201.168,198.335 201.637,197.866 204.002,197.866 204.306,198.17 204.801,198.17 204.978,197.993 ; 201.168,29.578 201.168,38.659 201.637,39.128 202.299,39.128 204.35,37.077 204.844,37.077 204.851,37.084 ; 201.168,89.903 201.168,98.984 201.637,99.453 202.299,99.453 204.35,97.402 204.844,97.402 204.851,97.409 ; 201.168,150.228 201.168,159.309 201.637,159.778 202.299,159.778 204.35,157.727 204.844,157.727 204.851,157.734 ; 201.168,210.553 201.168,219.634 201.637,220.103 202.299,220.103 204.35,218.052 204.844,218.052 204.851,218.059 ; 201.573,44.807 201.573,44.656 202.118,44.111 202.269,44.111 206.826,39.554 206.826,39.059 206.756,38.989 ; 201.573,105.132 201.573,104.981 202.118,104.436 202.269,104.436 206.826,99.879 206.826,99.384 206.756,99.314 ; 201.573,165.457 201.573,165.306 202.118,164.761 202.269,164.761 206.826,160.204 206.826,159.709 206.756,159.639 ; 201.573,225.782 201.573,225.631 202.118,225.086 202.269,225.086 206.826,220.529 206.826,220.034 206.756,219.964 ; 201.778,61.982 202.118,61.642 202.118,60.899 203.835,59.182 203.835,54.914 204.578,54.171 204.578,53.79 204.959,53.79 ; 201.778,122.307 202.118,121.967 202.118,121.224 203.835,119.507 203.835,115.239 204.578,114.496 204.578,114.115 204.959,114.115 ; 201.778,182.632 202.118,182.292 202.118,181.549 203.835,179.832 203.835,175.564 204.578,174.821 204.578,174.44 204.959,174.44 ; 201.778,242.957 202.118,242.617 202.118,241.874 203.835,240.157 203.835,235.889 204.578,235.146 204.578,234.765 204.959,234.765 ; 204.978,53.34 204.978,53.29 205.378,52.89 205.448,52.89 206.502,51.836 206.502,48.277 206.862,47.917 206.862,47.717 207.302,47.277 207.502,47.277 207.502,46.498 209.296,44.704 212.535,44.704 212.816,44.985 ; 204.978,113.665 204.978,113.615 205.378,113.215 205.448,113.215 206.502,112.161 206.502,108.602 206.862,108.242 206.862,108.042 207.302,107.602 207.502,107.602 207.502,106.823 209.296,105.029 212.535,105.029 212.816,105.31 ; 204.978,173.99 204.978,173.94 205.378,173.54 205.448,173.54 206.502,172.486 206.502,168.927 206.862,168.567 206.862,168.367 207.302,167.927 207.502,167.927 207.502,167.148 209.296,165.354 212.535,165.354 212.816,165.635 ; 204.978,234.315 204.978,234.265 205.378,233.865 205.448,233.865 206.502,232.811 206.502,229.252 206.862,228.892 206.862,228.692 207.302,228.252 207.502,228.252 207.502,227.473 209.296,225.679 212.535,225.679 212.816,225.96 ; 205.885,62.871 205.912,62.844 ; 205.885,123.196 205.912,123.169 ; 205.885,183.521 205.912,183.494 ; 205.885,243.846 205.912,243.819 ; 205.912,57.044 205.912,59.645 203.962,61.595 203.962,64.389 202.819,65.532 202.819,69.762 203.288,70.231 219.202,70.231 227.584,70.231 230.06,67.754 ; 205.912,117.369 205.912,119.97 203.962,121.92 203.962,124.714 202.819,125.857 202.819,130.087 203.288,130.556 219.202,130.556 227.584,130.556 230.06,128.079 ; 205.912,177.694 205.912,180.295 203.962,182.245 203.962,185.039 202.819,186.182 202.819,190.412 203.288,190.881 219.202,190.881 227.584,190.881 230.06,188.404 ; 205.912,238.019 205.912,240.62 203.962,242.57 203.962,245.364 202.819,246.507 202.819,250.737 203.288,251.206 219.202,251.206 227.584,251.206 230.06,248.73 ; 206.883,15.113 205.112,13.342 202.445,13.342 202.057,12.954 202.057,12.641 201.986,12.57 230.587,12.57 230.642,12.624 231.445,12.624 232.156,13.335 229.235,13.335 227.584,14.986 ; 206.883,75.438 205.112,73.667 202.445,73.667 202.057,73.279 202.057,72.966 201.986,72.895 230.587,72.895 230.642,72.949 231.445,72.949 232.156,73.66 229.235,73.66 227.584,75.311 ; 206.883,135.763 205.112,133.992 202.445,133.992 202.057,133.604 202.057,133.291 201.986,133.22 230.587,133.22 230.642,133.274 231.445,133.274 232.156,133.985 229.235,133.985 227.584,135.636 ; 206.883,196.088 205.112,194.317 202.445,194.317 202.057,193.929 202.057,193.616 201.986,193.545 230.587,193.545 230.642,193.599 231.445,193.599 232.156,194.31 229.235,194.31 227.584,195.961 ; 207.391,65.823 207.391,66.802 ; 207.391,126.148 207.391,127.127 ; 207.391,186.473 207.391,187.452 ; 207.391,246.798 207.391,247.777 ; 208.362,57.044 208.362,54.259 208.515,54.106 208.515,53.79 208.965,53.34 209.042,53.34 209.296,53.086 209.296,49.403 210.042,48.657 210.042,47.117 ; 208.362,117.369 208.362,114.584 208.515,114.431 208.515,114.115 208.965,113.665 209.042,113.665 209.296,113.411 209.296,109.728 210.042,108.982 210.042,107.442 ; 208.362,177.694 208.362,174.909 208.515,174.756 208.515,174.44 208.965,173.99 209.042,173.99 209.296,173.736 209.296,170.053 210.042,169.307 210.042,167.767 ; 208.362,238.019 208.362,235.234 208.515,235.081 208.515,234.765 208.965,234.315 209.042,234.315 209.296,234.061 209.296,230.378 210.042,229.632 210.042,228.092 ; 208.417,62.844 208.417,63.399 ; 208.417,123.169 208.417,123.724 ; 208.417,183.494 208.417,184.049 ; 208.417,243.819 208.417,244.374 ; 208.798,60.823 210.058,59.563 210.058,56.515 211.203,55.37 211.259,55.37 211.259,55.314 ; 208.798,121.148 210.058,119.888 210.058,116.84 211.203,115.695 211.259,115.695 211.259,115.639 ; 208.798,181.473 210.058,180.213 210.058,177.165 211.203,176.02 211.259,176.02 211.259,175.964 ; 208.798,241.798 210.058,240.538 210.058,237.49 211.203,236.345 211.259,236.345 211.259,236.289 ; 211.709,52.451 211.695,52.437 211.695,51.195 213.024,49.866 213.024,48.995 ; 211.709,112.776 211.695,112.762 211.695,111.52 213.024,110.191 213.024,109.32 ; 211.709,173.101 211.695,173.087 211.695,171.845 213.024,170.516 213.024,169.645 ; 211.709,233.426 211.695,233.412 211.695,232.17 213.024,230.841 213.024,229.97 ; 211.86,58.525 211.86,58.015 214.63,55.245 214.63,53.933 ; 211.86,118.85 211.86,118.34 214.63,115.57 214.63,114.258 ; 211.86,179.175 211.86,178.665 214.63,175.895 214.63,174.583 ; 211.86,239.5 211.86,238.99 214.63,236.22 214.63,234.908 ; 212.031,65.727 212.031,67.124 212.231,67.324 ; 212.031,126.052 212.031,127.449 212.231,127.649 ; 212.031,186.377 212.031,187.774 212.231,187.974 ; 212.031,246.702 212.031,248.099 212.231,248.299 ; 214.86,58.652 214.86,58.19 217.101,55.949 217.101,55.624 217.226,55.499 217.551,55.499 ; 214.86,118.977 214.86,118.515 217.101,116.274 217.101,115.949 217.226,115.824 217.551,115.824 ; 214.86,179.302 214.86,178.84 217.101,176.599 217.101,176.274 217.226,176.149 217.551,176.149 ; 214.86,239.627 214.86,239.165 217.101,236.924 217.101,236.599 217.226,236.474 217.551,236.474 ; 215.011,52.832 214.984,52.875 214.63,53.432 214.63,53.933 ; 215.011,113.157 214.984,113.2 214.63,113.757 214.63,114.258 ; 215.011,173.482 214.984,173.525 214.63,174.082 214.63,174.583 ; 215.011,233.807 214.984,233.85 214.63,234.407 214.63,234.908 ; 216.154,43.18 216.154,45.556 ; 216.154,103.505 216.154,105.881 ; 216.154,163.83 216.154,166.206 ; 216.154,224.155 216.154,226.531 ; 217.424,28.067 217.424,40.386 219.98,42.942 219.98,44.985 ; 217.424,88.392 217.424,100.711 219.98,103.267 219.98,105.31 ; 217.424,148.717 217.424,161.036 219.98,163.592 219.98,165.635 ; 217.424,209.042 217.424,221.361 219.98,223.917 219.98,225.96 ; 218.083,58.652 218.083,57.865 219.964,55.984 219.964,53.933 ; 218.083,118.977 218.083,118.19 219.964,116.309 219.964,114.258 ; 218.083,179.302 218.083,178.515 219.964,176.634 219.964,174.583 ; 218.083,239.627 218.083,238.84 219.964,236.959 219.964,234.908 ; 218.186,47.625 217.805,48.006 217.805,49.403 218.948,50.546 221.654,50.546 222.123,51.015 222.123,52.281 ; 218.186,107.95 217.805,108.331 217.805,109.728 218.948,110.871 221.654,110.871 222.123,111.34 222.123,112.606 ; 218.186,168.275 217.805,168.656 217.805,170.053 218.948,171.196 221.654,171.196 222.123,171.665 222.123,172.931 ; 218.186,228.6 217.805,228.981 217.805,230.378 218.948,231.521 221.654,231.521 222.123,231.99 222.123,233.256 ; 221.083,58.652 221.083,57.682 221.927,56.838 221.927,55.624 222.052,55.499 222.377,55.499 ; 221.083,118.977 221.083,118.007 221.927,117.163 221.927,115.949 222.052,115.824 222.377,115.824 ; 221.083,179.302 221.083,178.332 221.927,177.488 221.927,176.274 222.052,176.149 222.377,176.149 ; 221.083,239.627 221.083,238.657 221.927,237.813 221.927,236.599 222.052,236.474 222.377,236.474 ; 221.168,48.956 225.105,48.956 226.695,50.546 226.695,52.408 ; 221.168,109.281 225.105,109.281 226.695,110.871 226.695,112.733 ; 221.168,169.606 225.105,169.606 226.695,171.196 226.695,173.058 ; 221.168,229.931 225.105,229.931 226.695,231.521 226.695,233.383 ; 224.179,58.779 224.179,57.634 224.663,57.15 224.663,53.933 ; 224.179,119.104 224.179,117.959 224.663,117.475 224.663,114.258 ; 224.179,179.429 224.179,178.284 224.663,177.8 224.663,174.583 ; 224.179,239.754 224.179,238.609 224.663,238.125 224.663,234.908 ; 226.822,55.499 227.078,55.499 227.203,55.624 227.203,58.436 ; 226.822,115.824 227.078,115.824 227.203,115.949 227.203,118.761 ; 226.822,176.149 227.078,176.149 227.203,176.274 227.203,179.086 ; 226.822,236.474 227.078,236.474 227.203,236.599 227.203,239.411 ; 227.457,38.989 227.45,38.996 227.45,39.49 232.198,44.238 233.026,44.238 233.426,44.638 ; 227.457,99.314 227.45,99.321 227.45,99.815 232.198,104.563 233.026,104.563 233.426,104.963 ; 227.457,159.639 227.45,159.646 227.45,160.14 232.198,164.888 233.026,164.888 233.426,165.288 ; 227.457,219.964 227.45,219.971 227.45,220.465 232.198,225.213 233.026,225.213 233.426,225.613 ; 229.362,37.084 232.295,40.017 232.957,40.017 233.426,39.548 233.426,29.53 ; 229.362,97.409 232.295,100.342 232.957,100.342 233.426,99.873 233.426,89.855 ; 229.362,157.734 232.295,160.667 232.957,160.667 233.426,160.198 233.426,150.18 ; 229.362,218.059 232.295,220.992 232.957,220.992 233.426,220.523 233.426,210.505 ; 229.616,16.891 229.704,16.979 230.199,16.979 230.922,16.256 233.084,16.256 233.553,16.725 233.553,24.953 ; 229.616,77.216 229.704,77.304 230.199,77.304 230.922,76.581 233.084,76.581 233.553,77.05 233.553,85.278 ; 229.616,137.541 229.704,137.629 230.199,137.629 230.922,136.906 233.084,136.906 233.553,137.375 233.553,145.603 ; 229.616,197.866 229.704,197.954 230.199,197.954 230.922,197.231 233.084,197.231 233.553,197.7 233.553,205.928 ; 230.378,58.164 230.378,54.402 229.909,53.933 224.663,53.933 ; 230.378,118.489 230.378,114.727 229.909,114.258 224.663,114.258 ; 230.378,178.814 230.378,175.052 229.909,174.583 224.663,174.583 ; 230.378,239.139 230.378,235.377 229.909,234.908 224.663,234.908 ; 233.553,29.53 233.68,29.403 ; 233.553,89.855 233.68,89.728 ; 233.553,150.18 233.68,150.053 ; 233.553,210.505 233.68,210.378 ; 241.173,25.019 241.427,24.765 241.427,17.36 241.896,16.891 244.261,16.891 244.565,17.195 245.06,17.195 245.237,17.018 ; 241.173,85.344 241.427,85.09 241.427,77.685 241.896,77.216 244.261,77.216 244.565,77.52 245.06,77.52 245.237,77.343 ; 241.173,145.669 241.427,145.415 241.427,138.01 241.896,137.541 244.261,137.541 244.565,137.845 245.06,137.845 245.237,137.668 ; 241.173,205.994 241.427,205.74 241.427,198.335 241.896,197.866 244.261,197.866 244.565,198.17 245.06,198.17 245.237,197.993 ; 241.427,29.578 241.427,38.659 241.896,39.128 242.558,39.128 244.609,37.077 245.103,37.077 245.11,37.084 ; 241.427,89.903 241.427,98.984 241.896,99.453 242.558,99.453 244.609,97.402 245.103,97.402 245.11,97.409 ; 241.427,150.228 241.427,159.309 241.896,159.778 242.558,159.778 244.609,157.727 245.103,157.727 245.11,157.734 ; 241.427,210.553 241.427,219.634 241.896,220.103 242.558,220.103 244.609,218.052 245.103,218.052 245.11,218.059 ; 241.832,44.807 241.832,44.656 242.377,44.111 242.528,44.111 247.085,39.554 247.085,39.059 247.015,38.989 ; 241.832,105.132 241.832,104.981 242.377,104.436 242.528,104.436 247.085,99.879 247.085,99.384 247.015,99.314 ; 241.832,165.457 241.832,165.306 242.377,164.761 242.528,164.761 247.085,160.204 247.085,159.709 247.015,159.639 ; 241.832,225.782 241.832,225.631 242.377,225.086 242.528,225.086 247.085,220.529 247.085,220.034 247.015,219.964 ; 242.037,61.982 242.377,61.642 242.377,60.899 244.094,59.182 244.094,54.914 244.837,54.171 244.837,53.79 245.218,53.79 ; 242.037,122.307 242.377,121.967 242.377,121.224 244.094,119.507 244.094,115.239 244.837,114.496 244.837,114.115 245.218,114.115 ; 242.037,182.632 242.377,182.292 242.377,181.549 244.094,179.832 244.094,175.564 244.837,174.821 244.837,174.44 245.218,174.44 ; 242.037,242.957 242.377,242.617 242.377,241.874 244.094,240.157 244.094,235.889 244.837,235.146 244.837,234.765 245.218,234.765 ; 245.237,53.34 245.237,53.29 245.637,52.89 245.707,52.89 246.761,51.836 246.761,48.277 247.121,47.917 247.121,47.717 247.561,47.277 247.761,47.277 247.761,46.498 249.555,44.704 252.794,44.704 253.075,44.985 ; 245.237,113.665 245.237,113.615 245.637,113.215 245.707,113.215 246.761,112.161 246.761,108.602 247.121,108.242 247.121,108.042 247.561,107.602 247.761,107.602 247.761,106.823 249.555,105.029 252.794,105.029 253.075,105.31 ; 245.237,173.99 245.237,173.94 245.637,173.54 245.707,173.54 246.761,172.486 246.761,168.927 247.121,168.567 247.121,168.367 247.561,167.927 247.761,167.927 247.761,167.148 249.555,165.354 252.794,165.354 253.075,165.635 ; 245.237,234.315 245.237,234.265 245.637,233.865 245.707,233.865 246.761,232.811 246.761,229.252 247.121,228.892 247.121,228.692 247.561,228.252 247.761,228.252 247.761,227.473 249.555,225.679 252.794,225.679 253.075,225.96 ; 246.144,62.871 246.171,62.844 ; 246.144,123.196 246.171,123.169 ; 246.144,183.521 246.171,183.494 ; 246.144,243.846 246.171,243.819 ; 246.171,57.044 246.171,59.645 244.221,61.595 244.221,64.389 243.078,65.532 243.078,69.762 243.547,70.231 259.461,70.231 267.843,70.231 270.32,67.754 ; 246.171,117.369 246.171,119.97 244.221,121.92 244.221,124.714 243.078,125.857 243.078,130.087 243.547,130.556 259.461,130.556 267.843,130.556 270.32,128.079 ; 246.171,177.694 246.171,180.295 244.221,182.245 244.221,185.039 243.078,186.182 243.078,190.412 243.547,190.881 259.461,190.881 267.843,190.881 270.32,188.404 ; 246.171,238.019 246.171,240.62 244.221,242.57 244.221,245.364 243.078,246.507 243.078,250.737 243.547,251.206 259.461,251.206 267.843,251.206 270.32,248.73 ; 247.142,15.113 245.371,13.342 242.704,13.342 242.316,12.954 242.316,12.641 242.245,12.57 270.846,12.57 270.901,12.624 271.704,12.624 272.415,13.335 269.494,13.335 267.843,14.986 ; 247.142,75.438 245.371,73.667 242.704,73.667 242.316,73.279 242.316,72.966 242.245,72.895 270.846,72.895 270.901,72.949 271.704,72.949 272.415,73.66 269.494,73.66 267.843,75.311 ; 247.142,135.763 245.371,133.992 242.704,133.992 242.316,133.604 242.316,133.291 242.245,133.22 270.846,133.22 270.901,133.274 271.704,133.274 272.415,133.985 269.494,133.985 267.843,135.636 ; 247.142,196.088 245.371,194.317 242.704,194.317 242.316,193.929 242.316,193.616 242.245,193.545 270.846,193.545 270.901,193.599 271.704,193.599 272.415,194.31 269.494,194.31 267.843,195.961 ; 247.65,65.823 247.65,66.802 ; 247.65,126.148 247.65,127.127 ; 247.65,186.473 247.65,187.452 ; 247.65,246.798 247.65,247.777 ; 248.621,57.044 248.621,54.259 248.774,54.106 248.774,53.79 249.224,53.34 249.301,53.34 249.555,53.086 249.555,49.403 250.301,48.657 250.301,47.117 ; 248.621,117.369 248.621,114.584 248.774,114.431 248.774,114.115 249.224,113.665 249.301,113.665 249.555,113.411 249.555,109.728 250.301,108.982 250.301,107.442 ; 248.621,177.694 248.621,174.909 248.774,174.756 248.774,174.44 249.224,173.99 249.301,173.99 249.555,173.736 249.555,170.053 250.301,169.307 250.301,167.767 ; 248.621,238.019 248.621,235.234 248.774,235.081 248.774,234.765 249.224,234.315 249.301,234.315 249.555,234.061 249.555,230.378 250.301,229.632 250.301,228.092 ; 248.676,62.844 248.676,63.399 ; 248.676,123.169 248.676,123.724 ; 248.676,183.494 248.676,184.049 ; 248.676,243.819 248.676,244.374 ; 249.057,60.823 250.317,59.563 250.317,56.515 251.462,55.37 251.518,55.37 251.518,55.314 ; 249.057,121.148 250.317,119.888 250.317,116.84 251.462,115.695 251.518,115.695 251.518,115.639 ; 249.057,181.473 250.317,180.213 250.317,177.165 251.462,176.02 251.518,176.02 251.518,175.964 ; 249.057,241.798 250.317,240.538 250.317,237.49 251.462,236.345 251.518,236.345 251.518,236.289 ; 251.968,52.451 251.954,52.437 251.954,51.195 253.283,49.866 253.283,48.995 ; 251.968,112.776 251.954,112.762 251.954,111.52 253.283,110.191 253.283,109.32 ; 251.968,173.101 251.954,173.087 251.954,171.845 253.283,170.516 253.283,169.645 ; 251.968,233.426 251.954,233.412 251.954,232.17 253.283,230.841 253.283,229.97 ; 252.119,58.525 252.119,58.015 254.889,55.245 254.889,53.933 ; 252.119,118.85 252.119,118.34 254.889,115.57 254.889,114.258 ; 252.119,179.175 252.119,178.665 254.889,175.895 254.889,174.583 ; 252.119,239.5 252.119,238.99 254.889,236.22 254.889,234.908 ; 252.29,65.727 252.29,67.124 252.49,67.324 ; 252.29,126.052 252.29,127.449 252.49,127.649 ; 252.29,186.377 252.29,187.774 252.49,187.974 ; 252.29,246.702 252.29,248.099 252.49,248.299 ; 255.119,58.652 255.119,58.19 257.36,55.949 257.36,55.624 257.485,55.499 257.81,55.499 ; 255.119,118.977 255.119,118.515 257.36,116.274 257.36,115.949 257.485,115.824 257.81,115.824 ; 255.119,179.302 255.119,178.84 257.36,176.599 257.36,176.274 257.485,176.149 257.81,176.149 ; 255.119,239.627 255.119,239.165 257.36,236.924 257.36,236.599 257.485,236.474 257.81,236.474 ; 255.27,52.832 255.243,52.875 254.889,53.432 254.889,53.933 ; 255.27,113.157 255.243,113.2 254.889,113.757 254.889,114.258 ; 255.27,173.482 255.243,173.525 254.889,174.082 254.889,174.583 ; 255.27,233.807 255.243,233.85 254.889,234.407 254.889,234.908 ; 256.413,43.18 256.413,45.556 ; 256.413,103.505 256.413,105.881 ; 256.413,163.83 256.413,166.206 ; 256.413,224.155 256.413,226.531 ; 257.683,28.067 257.683,40.386 260.239,42.942 260.239,44.985 ; 257.683,88.392 257.683,100.711 260.239,103.267 260.239,105.31 ; 257.683,148.717 257.683,161.036 260.239,163.592 260.239,165.635 ; 257.683,209.042 257.683,221.361 260.239,223.917 260.239,225.96 ; 258.342,58.652 258.342,57.865 260.223,55.984 260.223,53.933 ; 258.342,118.977 258.342,118.19 260.223,116.309 260.223,114.258 ; 258.342,179.302 258.342,178.515 260.223,176.634 260.223,174.583 ; 258.342,239.627 258.342,238.84 260.223,236.959 260.223,234.908 ; 258.445,47.625 258.064,48.006 258.064,49.403 259.207,50.546 261.913,50.546 262.382,51.015 262.382,52.281 ; 258.445,107.95 258.064,108.331 258.064,109.728 259.207,110.871 261.913,110.871 262.382,111.34 262.382,112.606 ; 258.445,168.275 258.064,168.656 258.064,170.053 259.207,171.196 261.913,171.196 262.382,171.665 262.382,172.931 ; 258.445,228.6 258.064,228.981 258.064,230.378 259.207,231.521 261.913,231.521 262.382,231.99 262.382,233.256 ; 261.342,58.652 261.342,57.682 262.186,56.838 262.186,55.624 262.311,55.499 262.636,55.499